# KiCad board reverse-panel.kicad_pcb (continued)
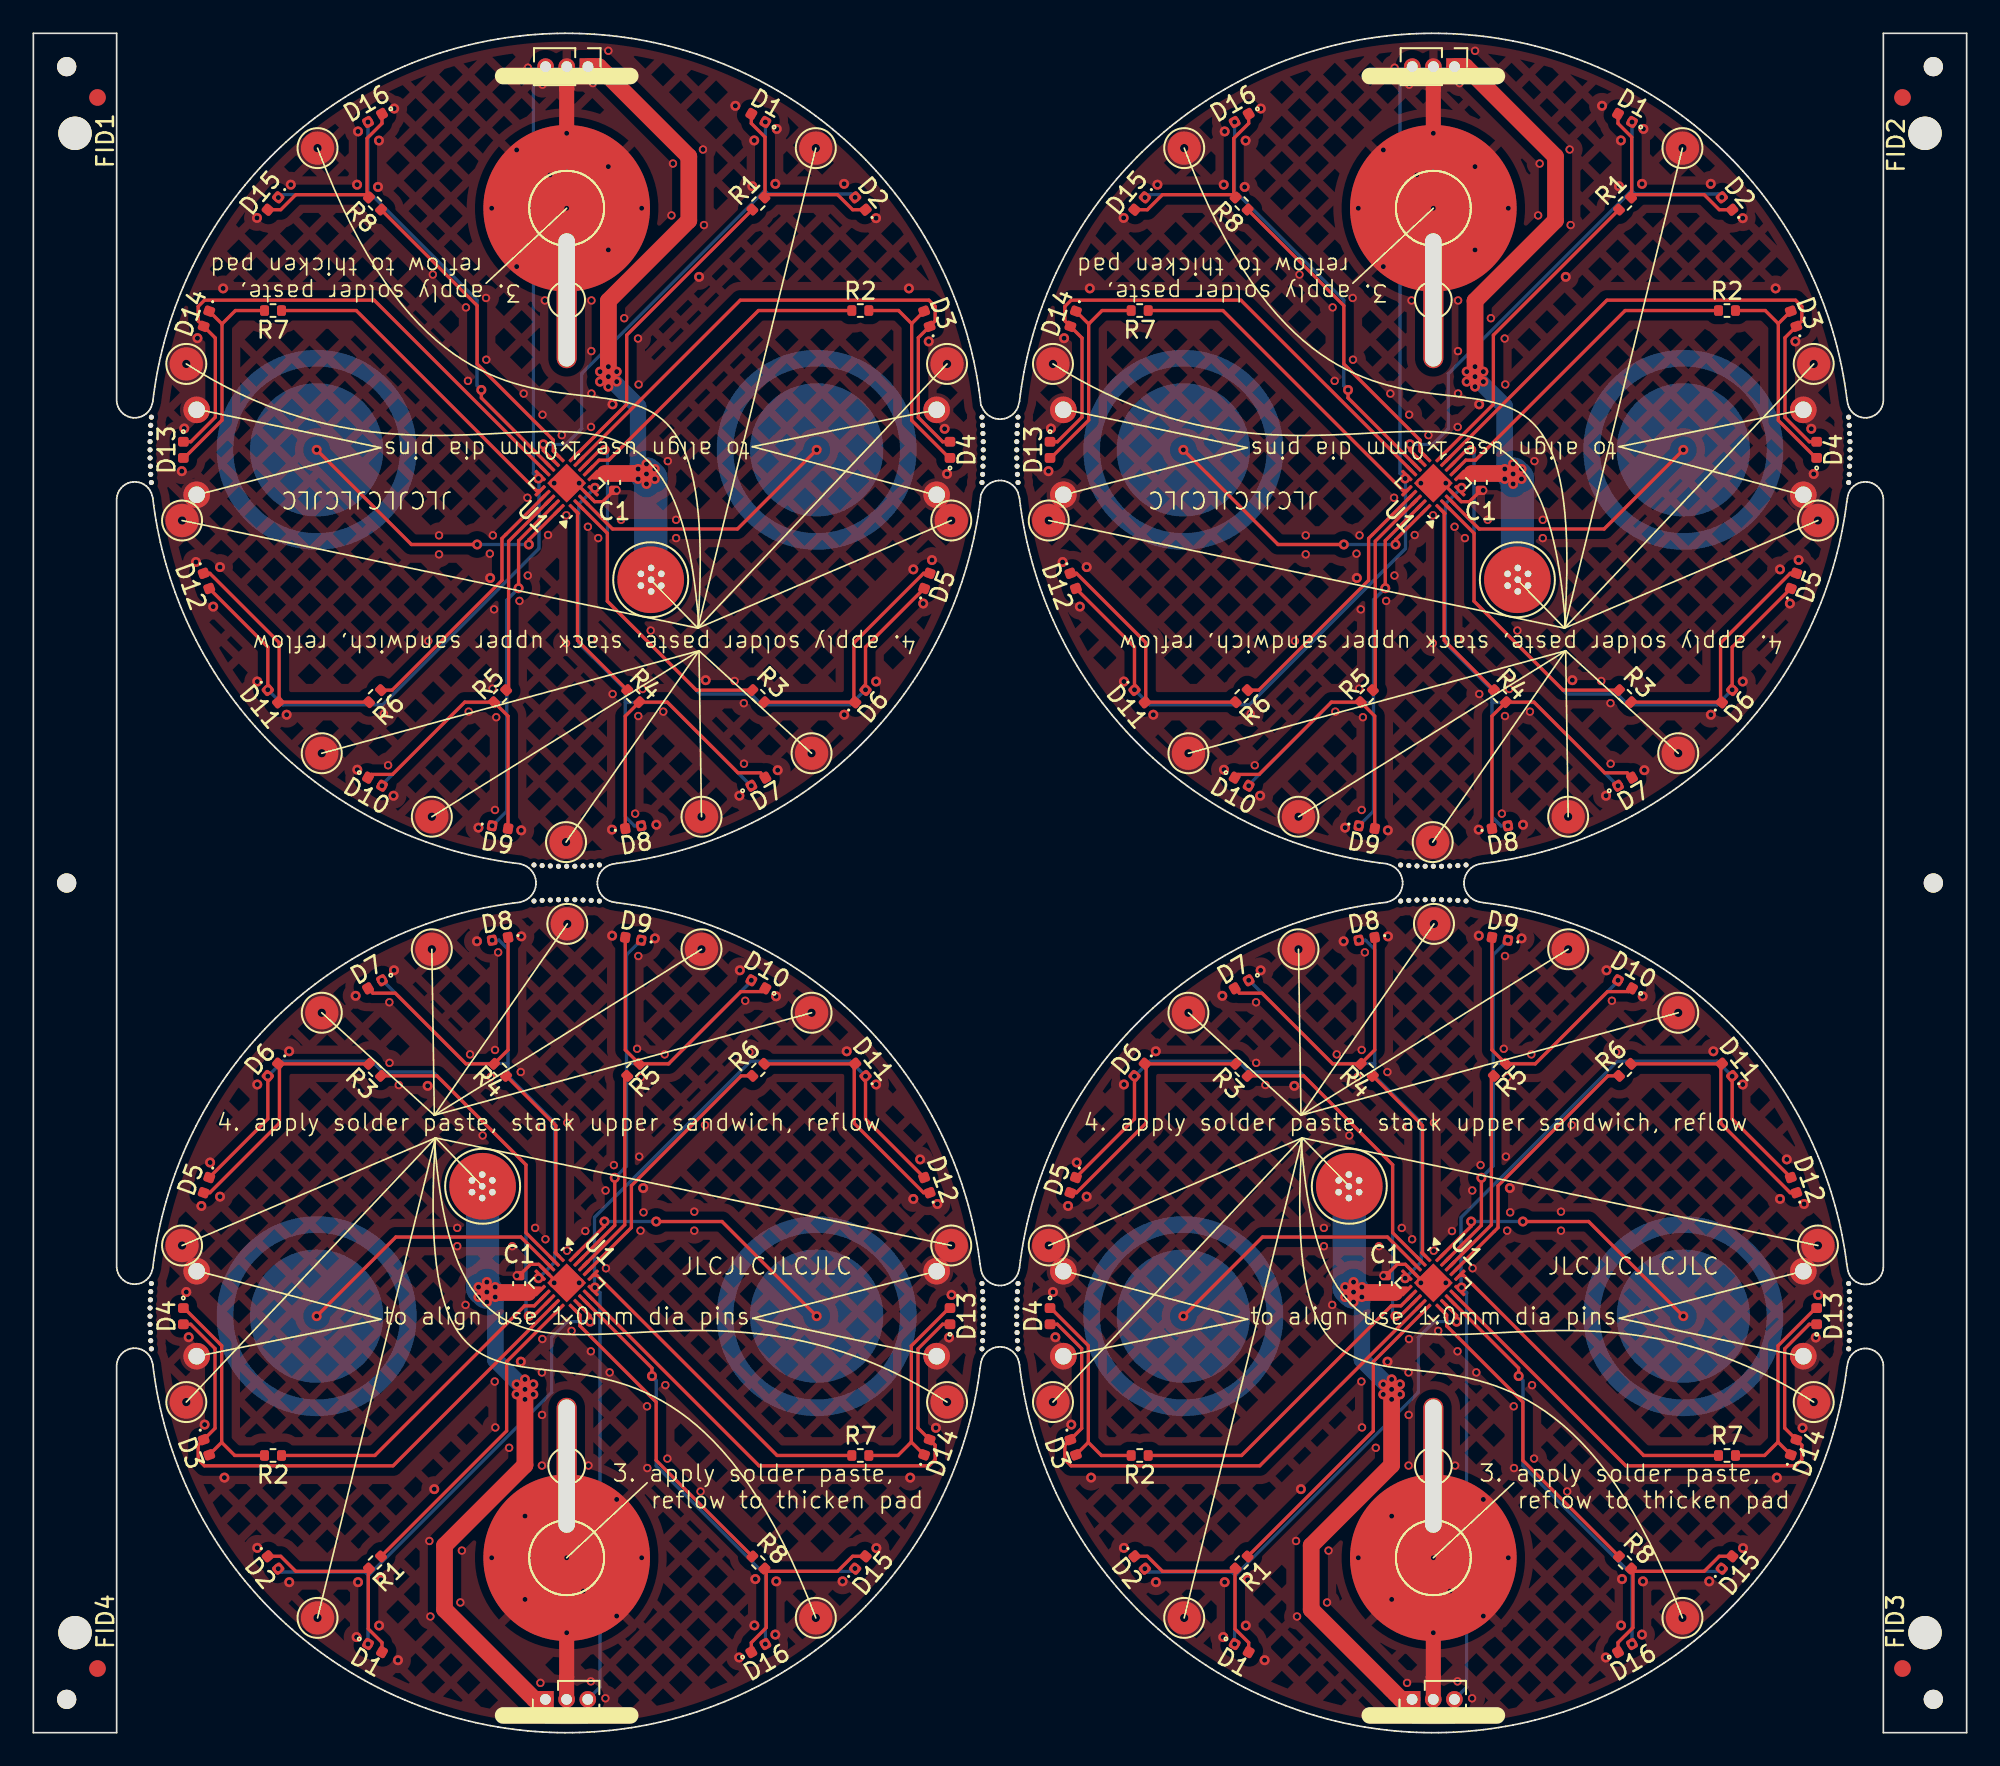
[diagram p0: board, top side]
## Placement (name value [footprint] x y rotation side) (continued)
stitch1#40  -  [TestPoint_Pad_D2.0mm]  61.18 19.84 0 top  (not fitted)
stitch1#41  -  [TestPoint_Pad_D2.0mm]  60.92 29.24 0 top  (not fitted)
stitch1#42  -  [TestPoint_Pad_D2.0mm]  8.92 29.24 0 top  (not fitted)
stitch1#43  -  [TestPoint_Pad_D2.0mm]  17.31 43.21 0 top  (not fitted)
stitch1#44  -  [TestPoint_Pad_D2.0mm]  75.91 47.02 0 top  (not fitted)
U1  CH32V003F4U6  [QFN-20-1EP_3x3mm_P0.4mm_EP1.65x1.65mm]  32 27 315 top
U1#2  CH32V003F4U6  [QFN-20-1EP_3x3mm_P0.4mm_EP1.65x1.65mm]  84 27 315 top
U1#3  CH32V003F4U6  [QFN-20-1EP_3x3mm_P0.4mm_EP1.65x1.65mm]  32 75 135 top
U1#4  CH32V003F4U6  [QFN-20-1EP_3x3mm_P0.4mm_EP1.65x1.65mm]  84 75 135 top

## Library data of the parts
- -#3 -#4 B1#2-B1#4 S1 S1#2 S1#4 S2 S2#3 S2#4 = -: Description: test point
-#2 B1 S1#3 S2#2 = -: Description: test point; ki_fp_filters: Pin* Test*
C1 C1#3 C1#4 = -: Datasheet: https://jlcpcb.com/api/file/downloadByFileSystemAccessId/8579705910383595520; Description: Unpolarized capacitor; JLC: C25092
C1#2 = -: Datasheet: https://jlcpcb.com/api/file/downloadByFileSystemAccessId/8579705910383595520; Description: Unpolarized capacitor; JLC: C25092; ki_fp_filters: C_*
D1 D2#3 D3#3 D4#4 D5#3 D6 D7#3 D8#2 D9 D10#3 D11#3 D12#4 D13#2 D14#2 D15#4 D16#2 = -: Datasheet: https://www.lcsc.com/datasheet/lcsc_datasheet_2402181505_XINGLIGHT-XL-1005SURC_C965790.pdf; Description: Light emitting diode; LCSC: C965790; ki_fp_filters: LED* LED_SMD:* LED_THT:*
D1#2-D1#4 D2 D2#2 D2#4 D3 D3#2 D3#4 D4 D4#2 D4#3 D5 D5#2 D5#4 D6#2-D6#4 D7 D7#2 D7#4 D8 D8#3 D8#4 D9#2-D9#4 D10 D10#2 D10#4 D11 D11#2 D11#4 D12 D12#2 D12#3 D13 D13#3 D13#4 D14 D14#3 D14#4 D15 D15#2 D15#3 D16 D16#3 D16#4 = -: Datasheet: https://www.lcsc.com/datasheet/lcsc_datasheet_2402181505_XINGLIGHT-XL-1005SURC_C965790.pdf; Description: Light emitting diode; LCSC: C965790
J1 J1#2 J1#3 = -: Description: Generic connector, single row, 01x03, script generated (kicad-library-utils/schlib/autogen/connector/)
J1#4 = -: Description: Generic connector, single row, 01x03, script generated (kicad-library-utils/schlib/autogen/connector/); ki_fp_filters: Connector*:*_1x??_*
R1 R1#2 R1#3 R2 R2#2 R2#3 R3#2-R3#4 R4 R4#2 R4#4 R5 R5#2 R5#3 R6 R6#3 R6#4 R7 R7#2 R7#4 R8 R8#2 R8#4 = -: Datasheet: https://jlcpcb.com/api/file/downloadByFileSystemAccessId/8602999349706444800; Description: Resistor; JLC: C7496803
R1#4 R2#4 R3 R4#3 R5#4 R6#2 R7#3 R8#3 = -: Datasheet: https://jlcpcb.com/api/file/downloadByFileSystemAccessId/8602999349706444800; Description: Resistor; JLC: C7496803; ki_fp_filters: R_*
U1 = -: Datasheet: https://www.wch-ic.com/downloads/CH32V003DS0_PDF.html; Description: industrial-grade general-purpose microcontroller; LCSC: C5299908; JLC: C5299908; ki_fp_filters: DIP*W7.62mm* PDIP*W7.62mm*
U1#2-U1#4 = -: Datasheet: https://www.wch-ic.com/downloads/CH32V003DS0_PDF.html; Description: industrial-grade general-purpose microcontroller; LCSC: C5299908; JLC: C5299908

## Footprints (pads in the part's own frame, mm; a bottom-side part is the same pattern mirrored in y, then rotated)
C_0402_1005Metric
  rrect 0.56x0.62 smd: 1(-0.48,0) 2(0.48,0)
Fiducial_1mm_Mask2mm
  round 1 smd: (0,0)
LED_0402_1005Metric
  rrect 0.59x0.64 smd: 1(-0.485,0) 2(0.485,0)
PinHeader_1x03_P1.27mm_Vertical
  rect 1x1 hole 0.65: 1(0,0)
  oval 1x1 hole 0.65: 2(0,-1.27) 3(0,-2.54)
QFN-20-1EP_3x3mm_P0.4mm_EP1.65x1.65mm
  rrect 0.67x0.67 smd: (-0.41,0.41) (-0.41,-0.41) (0.41,0.41) (0.41,-0.41)
  rrect 0.85x0.2 smd: 1(-1.45,0.8) 2(-1.45,0.4) 3(-1.45,0) 4(-1.45,-0.4) 5(-1.45,-0.8) 11(1.45,-0.8) 12(1.45,-0.4) 13(1.45,0) 14(1.45,0.4) 15(1.45,0.8)
  rrect 0.2x0.85 smd: 6(-0.8,-1.45) 7(-0.4,-1.45) 8(0,-1.45) 9(0.4,-1.45) 10(0.8,-1.45) 16(0.8,1.45) 17(0.4,1.45) 18(0,1.45) 19(-0.4,1.45) 20(-0.8,1.45)
  rect 1.65x1.65 smd: 21(0,0)
R_0402_1005Metric
  rrect 0.54x0.64 smd: 1(-0.51,0) 2(0.51,0)
TestPoint_Pad_D1.0mm
  round 1 hole 0.4: 1(0,0)
TestPoint_Pad_D2.0mm
  round 2 smd: 1(0,0)
TestPoint_Pad_D4.0mm
  round 4 smd: 1(0,0)
TestPoint_Pad_D4.0mm#2
  round 10 smd: 1(0,0)
TestPoint_Pad_D4.0mm#3
  oval 8x8 smd: 1(0,0)
TestPoint_THTPad_3.0x3.0mm_Drill1.5mm
  oval 1.2x8.2 hole 1x8 unplated: (0,0)
unnamed
  round 1.6 hole 1: 1(0,0)
unnamed#2
  round 0.3 hole 0.3 unplated: (0,0)
unnamed#3
  round 2 hole 2 unplated: (0,0)
unnamed#4
  round 1.152 hole 1.152 unplated: (0,0)

## Nets
+3V0: C1.1 C1#2.1 C1#3.1 C1#4.1 contact-r1.1 contact-r1#2.1 contact-r1#3.1 contact-r1#4.1 J1.1 J1#2.1 J1#3.1 J1#4.1 solder1.1 solder1#2.1 solder1#3.1 solder1#4.1 solder2.1 solder2#2.1 solder2#3.1 solder2#4.1 solder3.1 solder3#2.1 solder3#3.1 solder3#4.1 solder4.1 solder4#2.1 solder4#3.1 solder4#4.1 solder5.1 solder5#2.1 solder5#3.1 solder5#4.1 solder6.1 solder6#2.1 solder6#3.1 solder6#4.1 solder7.1 solder7#2.1 solder7#3.1 solder7#4.1 U1.6 U1#2.6 U1#3.6 U1#4.6
GND: -.1 -#2.1 -#3.1 -#4.1 align-r1.1 align-r1#2.1 align-r1#3.1 align-r1#4.1 align-r2.1 align-r2#2.1 align-r2#3.1 align-r2#4.1 align-r3.1 align-r3#2.1 align-r3#3.1 align-r3#4.1 align-r4.1 align-r4#2.1 align-r4#3.1 align-r4#4.1 B1.1 B1#2.1 B1#3.1 B1#4.1 C1.2 C1#2.2 C1#3.2 C1#4.2 J1.2 J1#2.2 J1#3.2 J1#4.2 stitch1.1 stitch1#2.1 stitch1#3.1 stitch1#4.1 stitch1#5.1 stitch1#6.1 stitch1#7.1 stitch1#8.1 stitch1#9.1 stitch1#10.1 stitch1#11.1 stitch1#12.1 stitch1#13.1 stitch1#14.1 stitch1#15.1 stitch1#16.1 stitch1#17.1 stitch1#18.1 stitch1#19.1 stitch1#20.1 stitch1#21.1 stitch1#22.1 stitch1#23.1 stitch1#24.1 stitch1#25.1 stitch1#26.1 stitch1#27.1 stitch1#28.1 stitch1#29.1 stitch1#30.1 stitch1#31.1 stitch1#32.1 stitch1#33.1 stitch1#34.1 stitch1#35.1 stitch1#36.1 stitch1#37.1 stitch1#38.1 stitch1#39.1 stitch1#40.1 stitch1#41.1 stitch1#42.1 stitch1#43.1 stitch1#44.1 U1.4 U1.21 U1#2.4 U1#2.21 U1#3.4 U1#3.21 U1#4.4 U1#4.21
/touch1: S1.1 S1#2.1 S1#3.1 S1#4.1 U1.20 U1#2.20 U1#3.20 U1#4.20
/touch2: S2.1 S2#2.1 S2#3.1 S2#4.1 U1.3 U1#2.3 U1#3.3 U1#4.3
GP1: D1.1 D1#2.1 D1#3.1 D1#4.1 D2.2 D2#2.2 D2#3.2 D2#4.2 U1.12 U1#2.12 U1#3.12 U1#4.12
GP2: D3.1 D3#2.1 D3#3.1 D3#4.1 D4.2 D4#2.2 D4#3.2 D4#4.2 U1.9 U1#2.9 U1#3.9 U1#4.9
GP3: D5.1 D5#2.1 D5#3.1 D5#4.1 D6.2 D6#2.2 D6#3.2 D6#4.2 U1.8 U1#2.8 U1#3.8 U1#4.8
GP4: D7.1 D7#2.1 D7#3.1 D7#4.1 D8.2 D8#2.2 D8#3.2 D8#4.2 U1.5 U1#2.5 U1#3.5 U1#4.5
GP5: D9.1 D9#2.1 D9#3.1 D9#4.1 D10.2 D10#2.2 D10#3.2 D10#4.2 U1.19 U1#2.19 U1#3.19 U1#4.19
GP6: D11.1 D11#2.1 D11#3.1 D11#4.1 D12.2 D12#2.2 D12#3.2 D12#4.2 J1.3 J1#2.3 J1#3.3 J1#4.3 U1.15 U1#2.15 U1#3.15 U1#4.15
GP7: D13.1 D13#2.1 D13#3.1 D13#4.1 D14.2 D14#2.2 D14#3.2 D14#4.2 U1.14 U1#2.14 U1#3.14 U1#4.14
GP8: D15.1 D15#2.1 D15#3.1 D15#4.1 D16.2 D16#2.2 D16#3.2 D16#4.2 U1.13 U1#2.13 U1#3.13 U1#4.13
PWM1: R1.1 R1#2.1 R1#3.1 R1#4.1 U1.10 U1#2.10 U1#3.10 U1#4.10
PWM2: R2.1 R2#2.1 R2#3.1 R2#4.1 U1.7 U1#2.7 U1#3.7 U1#4.7
PWM3: R3.1 R3#2.1 R3#3.1 R3#4.1 U1.2 U1#2.2 U1#3.2 U1#4.2
PWM4: R4.1 R4#2.1 R4#3.1 R4#4.1 U1.1 U1#2.1 U1#3.1 U1#4.1
PWM5: R5.1 R5#2.1 R5#3.1 R5#4.1 U1.18 U1#2.18 U1#3.18 U1#4.18
PWM6: R6.1 R6#2.1 R6#3.1 R6#4.1 U1.17 U1#2.17 U1#3.17 U1#4.17
PWM7: R7.1 R7#2.1 R7#3.1 R7#4.1 U1.16 U1#2.16 U1#3.16 U1#4.16
PWM8: R8.1 R8#2.1 R8#3.1 R8#4.1 U1.11 U1#2.11 U1#3.11 U1#4.11
Net-(D1-A): D1.2 D1#2.2 D1#3.2 D1#4.2 D2.1 D2#2.1 D2#3.1 D2#4.1 R1.2 R1#2.2 R1#3.2 R1#4.2
Net-(D3-A): D3.2 D3#2.2 D3#3.2 D3#4.2 D4.1 D4#2.1 D4#3.1 D4#4.1 R2.2 R2#2.2 R2#3.2 R2#4.2
Net-(D5-A): D5.2 D5#2.2 D5#3.2 D5#4.2 D6.1 D6#2.1 D6#3.1 D6#4.1 R3.2 R3#2.2 R3#3.2 R3#4.2
Net-(D7-A): D7.2 D7#2.2 D7#3.2 D7#4.2 D8.1 D8#2.1 D8#3.1 D8#4.1 R4.2 R4#2.2 R4#3.2 R4#4.2
Net-(D10-K): D9.2 D9#2.2 D9#3.2 D9#4.2 D10.1 D10#2.1 D10#3.1 D10#4.1 R5.2 R5#2.2 R5#3.2 R5#4.2
Net-(D11-A): D11.2 D11#2.2 D11#3.2 D11#4.2 D12.1 D12#2.1 D12#3.1 D12#4.1 R6.2 R6#2.2 R6#3.2 R6#4.2
Net-(D13-A): D13.2 D13#2.2 D13#3.2 D13#4.2 D14.1 D14#2.1 D14#3.1 D14#4.1 R7.2 R7#2.2 R7#3.2 R7#4.2
Net-(D15-A): D15.2 D15#2.2 D15#3.2 D15#4.2 D16.1 D16#2.1 D16#3.1 D16#4.1 R8.2 R8#2.2 R8#3.2 R8#4.2

## Via types
v1: diameter 0.6, hole 0.3, Top to Bottom, 320 vias
v2: diameter 0.5, hole 0.3, Top to Bottom, 272 vias
v3: diameter 0.7, hole 0.5, Top to Bottom, 44 vias

## Routing (per net, layer and track width the routed paths; a pad name or vN(x,y) marks a point on that pad's centre or on a via; arc(x,y) is an arc through that point)
+3V0: length 167
  Top w0.3: 30.13,26.45 28.87,26.45 ; 85.87,75.55 87.13,75.55 ; 82.13,26.45 80.87,26.45 ; 33.59,75.37 34.85,75.37 ; 33.87,75.55 35.13,75.55 ; 30.41,26.63 29.15,26.63 ; 85.59,75.37 86.85,75.37 ; 82.41,26.63 81.15,26.63
  Top w1: J1.1 33.93,100 39.33,94.6 39.33,90.77 34.5,85.94 v1(34.5,81.39) ; J1#3.1 82.07,2 76.67,7.4 76.67,11.23 81.5,16.06 v1(81.5,20.61) ; v1(88.79,75.55) 88.76,75.58 86.3,75.58 ; 34.3,75.58 36.76,75.58 v1(36.79,75.55) ; v1(27.21,26.45) 27.24,26.42 29.7,26.42 ; J1#2.1 85.93,100 91.33,94.6 91.33,90.77 86.5,85.94 v1(86.5,81.39) ; v1(79.21,26.45) 79.24,26.42 81.7,26.42 ; J1#4.1 30.07,2 24.67,7.4 24.67,11.23 29.5,16.06 v1(29.5,20.61)
  Bottom w1: v1(88.79,75.55) 88.28,76.06 88.28,79.62 v1(86.5,81.39) ; v1(29.5,20.61) 27.72,22.38 27.72,25.94 v1(27.21,26.45) ; v1(79.21,26.45) 79.72,25.94 79.72,22.38 v1(81.5,20.61) ; v1(34.5,81.39) 36.28,79.62 36.28,76.06 v1(36.79,75.55)
  Bottom w2: v1(27.21,26.45) 26.96,26.7 contact-r1#2.1 ; contact-r1#3.1 37.04,75.3 v1(36.79,75.55) ; v1(79.21,26.45) 78.96,26.7 contact-r1#4.1 ; v1(88.79,75.55) 89.04,75.3 contact-r1.1
  vias: v1(26.71,26.75) v1(26.71,26.15) v1(27.21,27.05) v1(27.21,25.85) v1(27.71,26.75) v1(27.71,26.15) v1(29,20.91) v1(29,20.31) v1(29.5,21.21) v1(29.5,20.01) v1(30,20.91) v1(30,20.31) v1(34,81.69) v1(34,81.09) v1(34.5,81.99) v1(34.5,80.79) v1(35,81.69) v1(35,81.09) v1(36.29,75.85) v1(36.29,75.25) v1(36.79,76.15) v1(36.79,74.95) v1(37.29,75.85) v1(37.29,75.25) v1(78.71,26.75) v1(78.71,26.15) v1(79.21,27.05) v1(79.21,25.85) v1(79.71,26.75) v1(79.71,26.15) v1(81,20.91) v1(81,20.31) v1(81.5,21.21) v1(81.5,20.01) v1(82,20.91) v1(82,20.31) v1(86,81.69) v1(86,81.09) v1(86.5,81.99) v1(86.5,80.79) v1(87,81.69) v1(87,81.09) v1(88.29,75.85) v1(88.29,75.25) v1(88.79,76.15) v1(88.79,74.95) v1(89.29,75.85) v1(89.29,75.25)
GND: length 75.8
  Top w0.2: C1#2.2 29.83,28.11 30.32,28.11 U1.4 31.25,27.18 v1(31.25,27) ; C1#4.2 34.17,73.89 33.68,73.89 U1#3.4 32.75,74.82 v1(32.75,75) ; v1(84.75,75) 84.75,74.82 U1#4.4 85.68,73.89 86.17,73.89 C1#3.2 ; C1.2 81.83,28.11 82.32,28.11 U1#2.4 83.25,27.18 v1(83.25,27)
  Top w0.9: J1#2.2 84,100 84,98.67 84,98.67 84,98.66 v2(84,91.5) 84,84 ; J1#4.2 32,2.01 32,3.33 32,3.33 32,3.34 v2(32,10.5) 32,18 ; 84,18 v2(84,10.5) 84,3.34 84,3.33 84,3.33 84,2.01 J1#3.2 ; J1.2 32,100 32,98.67 32,98.67 32,98.66 v2(32,91.5) 32,84
  vias: v1(8.91,75.72) v1(9.06,78.28) v1(9.18,26.45) v1(9.32,23.74) v1(9.85,83.7) v1(9.76,70.27) v1(10.08,31.62) v1(10.28,18.49) v1(10.61,34.22) v1(10.79,67.59) v1(11.2,69.96) v1(11.2,32.17) v1(11.39,86.69) v1(11.46,15.31) v1(13.42,90.92) v1(13.44,63.09) v1(13.44,38.91) v1(13.44,11.09) v1(15.2,61.1) v1(15.35,40.9) v1(15.45,92.92) v1(15.36,9.04) v1(19.34,44.23) v1(19.42,92.92) v1(19.44,57.8) v1(19.4,5.74) v1(19.48,96.11) v1(19.48,9.04) v1(20.74,95.56) v1(20.68,92.78) v1(20.75,6.43) v1(20.86,9.18) v1(21.61,56.24) v1(21.64,45.76) v1(21.65,97.49) v1(21.88,4.35) v1(23.66,38.82) v1(24.05,14.62) v1(26.62,47.5) v1(26.71,54.32) v1(27.41,69.31) v1(29.25,22.27) v1(29.27,54.16) v1(29.28,47.8) v1(31.25,75) v1(32.75,27) v1(34.72,54.2) v1(34.73,47.84) v1(34.75,79.73) v1(36.59,32.69) v1(37.29,47.68) v1(37.38,54.5) v1(39.95,87.38) v1(40.34,63.18) v1(42.12,97.65) v1(42.35,4.52) v1(42.36,56.24) v1(42.39,45.76) v1(43.14,92.82) v1(43.25,95.57) v1(43.32,9.22) v1(43.26,6.44) v1(44.52,92.97) v1(44.52,5.89) v1(44.6,96.26) v1(44.56,44.2) v1(44.58,9.08) v1(44.66,57.77) v1(48.64,92.97) v1(48.55,9.08) v1(48.65,61.1) v1(48.8,40.9) v1(50.56,90.91) v1(50.56,63.09) v1(50.56,38.91) v1(50.58,11.08) v1(52.54,86.69) v1(52.61,15.31) v1(52.8,69.83) v1(52.8,32.04) v1(53.21,34.41) v1(53.39,67.78) v1(53.72,83.51) v1(53.92,70.38) v1(54.24,31.73) v1(54.15,18.3) v1(54.68,78.26) v1(54.82,75.55) v1(54.94,23.72) v1(55.09,26.28) v1(60.91,75.72) v1(61.06,78.28) v1(61.18,26.45) v1(61.32,23.74) v1(61.85,83.7) v1(61.76,70.27) v1(62.08,31.62) v1(62.28,18.49) v1(62.61,34.22) v1(62.79,67.59) v1(63.2,69.96) v1(63.2,32.17) v1(63.39,86.69) v1(63.46,15.31) v1(65.42,90.92) v1(65.44,63.09) v1(65.44,38.91) v1(65.44,11.09) v1(67.2,61.1) v1(67.35,40.9) v1(67.45,92.92) v1(67.36,9.04) v1(71.34,44.23) v1(71.42,92.92) v1(71.44,57.8) v1(71.4,5.74) v1(71.48,96.11) v1(71.48,9.04) v1(72.74,95.56) v1(72.68,92.78) v1(72.75,6.43) v1(72.86,9.18) v1(73.61,56.24) v1(73.64,45.76) v1(73.65,97.49) v1(73.88,4.35) v1(75.66,38.82) v1(76.05,14.62) v1(78.62,47.5) v1(78.71,54.32) v1(79.41,69.31) v1(81.25,22.27) v1(81.27,54.16) v1(81.28,47.8) v1(83.25,75) v1(84.75,27) v1(86.72,54.2) v1(86.73,47.84) v1(86.75,79.73) v1(88.59,32.69) v1(89.29,47.68) v1(89.38,54.5) v1(91.95,87.38) v1(92.34,63.18) v1(94.12,97.65) v1(94.35,4.52) v1(94.36,56.24) v1(94.39,45.76) v1(95.14,92.82) v1(95.25,95.57) v1(95.32,9.22) v1(95.26,6.44) v1(96.52,92.97) v1(96.52,5.89) v1(96.6,96.26) v1(96.56,44.2) v1(96.58,9.08) v1(96.66,57.77) v1(100.64,92.97) v1(100.55,9.08) v1(100.65,61.1) v1(100.8,40.9) v1(102.56,90.91) v1(102.56,63.09) v1(102.56,38.91) v1(102.58,11.08) v1(104.54,86.69) v1(104.61,15.31) v1(104.8,69.83) v1(104.8,32.04) v1(105.21,34.41) v1(105.39,67.78) v1(105.72,83.51) v1(105.92,70.38) v1(106.24,31.73) v1(106.15,18.3) v1(106.68,78.26) v1(106.82,75.55) v1(106.94,23.72) v1(107.09,26.28) v2(21.04,61.15) v2(21.29,58.07) v2(21.36,43.84) v2(21.37,40.21) v2(21.93,38.87) v2(23.7,65.53) v2(23.76,11.51) v2(23.82,6.97) v2(23.97,87.52) v2(24.34,71.87) v2(24.34,70.73) v2(25.43,30.3) v2(25.43,29.2) v2(25.62,7.82) v2(25.71,10.93) v2(25.93,25.68) v2(25.96,85.55) v2(26.08,81.14) v2(26.12,61.29) v2(26.2,40.71) v2(26.96,35.85) v2(27.16,86.12) v2(27.18,82.41) v2(27.39,70.77) v2(27.45,39.36) v2(27.5,91.5) v2(27.5,10.5) v2(27.57,71.87) v2(27.64,67.42) v2(27.55,62.67) v2(27.7,55.38) v2(27.7,40.98) v2(27.68,21.08) v2(27.72,18.32) v2(27.77,60.95) v2(27.89,46.84) v2(28.55,17.1) v2(28.74,29.2) v2(29,95) v2(29,88) v2(29.01,27.43) v2(29.17,67.93) v2(29.24,39.66) v2(29.42,80.38) v2(29.5,13) v2(29.5,8) v2(29.5,1.05) v2(29.64,74.13) v2(29.68,99.94) v2(29.67,69.46) v2(30.11,30.3) v2(30.42,2.99) v2(30.55,98.92) v2(30.55,79.11) v2(30.51,36.35) v2(30.54,23.63) v2(30.51,21.62) v2(30.52,19.07) v2(30.51,16.03) v2(30.69,85.97) v2(30.73,29.62) v2(30.88,71.89) v2(31,93.5) v2(31.71,77.88) v2(32,96) v2(31.98,73.07) v2(31.96,65.39) v2(32.04,36.61) v2(32.02,28.93) v2(32,6) v2(32.29,24.12) v2(33,8.5) v2(33.12,30.11) v2(33.27,72.38) v2(33.31,16.03) v2(33.49,85.97) v2(33.48,82.93) v2(33.49,80.38) v2(33.46,78.37) v2(33.49,65.65) v2(33.45,22.89) v2(33.45,3.08) v2(33.58,99.01) v2(33.89,71.7) v2(34.33,32.54) v2(34.32,2.06) v2(34.36,27.88) v2(34.5,100.95) v2(34.5,94) v2(34.5,89) v2(34.58,21.62) v2(34.76,62.34) v2(34.83,34.07) v2(34.99,74.57) v2(35,14) v2(35,7) v2(35.26,72.8) v2(35.45,84.9) v2(36.11,55.16) v2(36.23,41.05) v2(36.28,83.68) v2(36.32,80.92) v2(36.3,61.02) v2(36.3,46.62) v2(36.45,39.33) v2(36.36,34.58) v2(36.43,30.13) v2(36.5,91.5) v2(36.5,10.5) v2(36.55,62.65) v2(36.61,31.23) v2(36.82,19.59) v2(36.84,15.88) v2(37.04,66.15) v2(37.8,61.29) v2(37.88,40.71) v2(37.92,20.86) v2(38.04,16.45) v2(38.07,76.32) v2(38.29,91.07) v2(38.38,94.18) v2(38.57,72.8) v2(38.57,71.7) v2(39.66,31.27) v2(39.66,30.13) v2(40.03,14.48) v2(40.18,95.03) v2(40.24,90.49) v2(40.3,36.47) v2(42.07,63.13) v2(42.63,61.79) v2(42.64,58.16) v2(42.71,43.93) v2(42.96,40.85) v2(73.04,61.15) v2(73.29,58.07) v2(73.36,43.84) v2(73.37,40.21) v2(73.93,38.87) v2(75.7,65.53) v2(75.76,11.51) v2(75.82,6.97) v2(75.97,87.52) v2(76.34,71.87) v2(76.34,70.73) v2(77.43,30.3) v2(77.43,29.2) v2(77.62,7.82) v2(77.71,10.93) v2(77.93,25.68) v2(77.96,85.55) v2(78.08,81.14) v2(78.12,61.29) v2(78.2,40.71) v2(78.96,35.85) v2(79.16,86.12) v2(79.18,82.41) v2(79.39,70.77) v2(79.45,39.36) v2(79.5,91.5) v2(79.5,10.5) v2(79.57,71.87) v2(79.64,67.42) v2(79.55,62.67) v2(79.7,55.38) v2(79.7,40.98) v2(79.68,21.08) v2(79.72,18.32) v2(79.77,60.95) v2(79.89,46.84) v2(80.55,17.1) v2(80.74,29.2) v2(81,95) v2(81,88) v2(81.01,27.43) v2(81.17,67.93) v2(81.24,39.66) v2(81.42,80.38) v2(81.5,13) v2(81.5,8) v2(81.5,1.05) v2(81.64,74.13) v2(81.68,99.94) v2(81.67,69.46) v2(82.11,30.3) v2(82.42,2.99) v2(82.55,98.92) v2(82.55,79.11) v2(82.51,36.35) v2(82.54,23.63) v2(82.51,21.62) v2(82.52,19.07) v2(82.51,16.03) v2(82.69,85.97) v2(82.73,29.62) v2(82.88,71.89) v2(83,93.5) v2(83.71,77.88) v2(84,96) v2(83.98,73.07) v2(83.96,65.39) v2(84.04,36.61) v2(84.02,28.93) v2(84,6) v2(84.29,24.12) v2(85,8.5) v2(85.12,30.11) v2(85.27,72.38) v2(85.31,16.03) v2(85.49,85.97) v2(85.48,82.93) v2(85.49,80.38) v2(85.46,78.37) v2(85.49,65.65) v2(85.45,22.89) v2(85.45,3.08) v2(85.58,99.01) v2(85.89,71.7) v2(86.33,32.54) v2(86.32,2.06) v2(86.36,27.88) v2(86.5,100.95) v2(86.5,94) v2(86.5,89) v2(86.58,21.62) v2(86.76,62.34) v2(86.83,34.07) v2(86.99,74.57) v2(87,14) v2(87,7) v2(87.26,72.8) v2(87.45,84.9) v2(88.11,55.16) v2(88.23,41.05) v2(88.28,83.68) v2(88.32,80.92) v2(88.3,61.02) v2(88.3,46.62) v2(88.45,39.33) v2(88.36,34.58) v2(88.43,30.13) v2(88.5,91.5) v2(88.5,10.5) v2(88.55,62.65) v2(88.61,31.23) v2(88.82,19.59) v2(88.84,15.88) v2(89.04,66.15) v2(89.8,61.29) v2(89.88,40.71) v2(89.92,20.86) v2(90.04,16.45) v2(90.07,76.32) v2(90.29,91.07) v2(90.38,94.18) v2(90.57,72.8) v2(90.57,71.7) v2(91.66,31.27) v2(91.66,30.13) v2(92.03,14.48) v2(92.18,95.03) v2(92.24,90.49) v2(92.3,36.47) v2(94.07,63.13) v2(94.63,61.79) v2(94.64,58.16) v2(94.71,43.93) v2(94.96,40.85) v3(8.92,72.76) v3(8.92,29.24) v3(9.18,82.16) v3(9.18,19.84) v3(17.05,95.11) v3(17.05,6.89) v3(17.31,58.79) v3(17.31,43.21) v3(23.91,54.98) v3(23.91,47.02) v3(31.96,53.45) v3(32.04,48.55) v3(40.09,54.98) v3(40.09,47.02) v3(46.69,58.79) v3(46.69,43.21) v3(46.95,95.11) v3(46.95,6.89) v3(54.82,82.16) v3(54.82,19.84) v3(55.08,72.76) v3(55.08,29.24) v3(60.92,72.76) v3(60.92,29.24) v3(61.18,82.16) v3(61.18,19.84) v3(69.05,95.11) v3(69.05,6.89) v3(69.31,58.79) v3(69.31,43.21) v3(75.91,54.98) v3(75.91,47.02) v3(83.96,53.45) v3(84.04,48.55) v3(92.09,54.98) v3(92.09,47.02) v3(98.69,58.79) v3(98.69,43.21) v3(98.95,95.11) v3(98.95,6.89) v3(106.82,82.16) v3(106.82,19.84) v3(107.08,72.76) v3(107.08,29.24)
/touch1: length 71.7
  Top w0.2: U1.20 34.27,30.4 v1(34.27,30.68) ; v1(29.73,71.32) 29.73,71.6 U1#3.20 ; v1(17,77) 22.68,71.32 v1(26.63,71.32) ; U1#2.20 86.27,30.4 v1(86.27,30.68) ; v1(37.37,30.68) 41.32,30.68 v1(47,25) ; U1#4.20 81.73,71.6 v1(81.73,71.32) ; v1(78.63,71.32) 74.68,71.32 v1(69,77) ; v1(99,25) 93.32,30.68 v1(89.37,30.68)
  Bottom w0.2: v1(34.27,30.68) v1(37.37,30.68) ; v1(29.73,71.32) v1(26.63,71.32) ; v1(86.27,30.68) v1(89.37,30.68) ; v1(81.73,71.32) v1(78.63,71.32)
/touch2: length 66.6
  Top w0.2: U1#3.3 34.75,72.25 42.25,72.25 v1(47,77) ; U1#2.3 81.25,29.75 73.75,29.75 v1(69,25) ; v1(17,25) 21.75,29.75 29.25,29.75 U1.3 ; U1#4.3 86.75,72.25 94.25,72.25 v1(99,77)
GP1: length 130.2
  Top w0.2: 66.7,9.86 v1(66.69,9.84) ; v1(30.6,77.33) 30.6,76.97 U1#3.12 ; v1(33.4,24.67) 33.4,25.03 U1.12 ; U1#2.12 85.4,25.03 v1(85.4,24.67) ; 14.7,9.86 v1(14.69,9.84) ; 101.3,92.14 v1(101.31,92.16) ; v1(82.6,77.33) 82.6,76.97 U1#4.12 ; 49.3,92.14 v1(49.31,92.16)
  Bottom w0.2: 43.92,92.53 44.08,92.37 49.1,92.37 v1(49.31,92.16) ; 43.92,92.53 v1(43.92,96.68) ; 43.92,92.53 43.86,92.53 32.9,81.57 32.9,78.27 31.96,77.33 v1(30.6,77.33) ; v1(82.6,77.33) 83.96,77.33 84.9,78.27 84.9,81.57 95.86,92.53 95.92,92.53 ; 20.08,9.47 19.92,9.64 14.9,9.64 v1(14.69,9.84) ; 20.08,9.47 v1(20.08,5.32) ; 20.08,9.47 20.14,9.47 31.1,20.43 31.1,23.73 32.04,24.67 v1(33.4,24.67) ; v1(66.69,9.84) 66.9,9.64 71.92,9.64 72.08,9.47 ; 72.08,9.47 v1(72.08,5.32) ; 72.08,9.47 72.14,9.47 83.1,20.43 83.1,23.73 84.04,24.67 v1(85.4,24.67) ; 95.92,92.53 96.08,92.37 101.1,92.37 v1(101.31,92.16) ; 95.92,92.53 v1(95.92,96.68)
GP2: length 140.5
  Top w0.2: U1#3.9 42.41,85.98 53.74,85.98 54.11,85.61 54.11,84.74 D3#4.1 53.1,83.73 53.1,78.94 54.56,77.49 D4.2 ; D4#4.2 9.44,24.52 10.9,23.06 10.9,18.27 D3#3.1 9.89,17.26 9.89,16.39 10.26,16.02 21.59,16.02 U1.9 ; U1#2.9 73.59,16.02 62.26,16.02 61.89,16.39 61.89,17.26 D3.1 62.9,18.27 62.9,23.06 61.44,24.52 D4#3.2 ; D4#2.2 106.56,77.49 105.1,78.94 105.1,83.73 D3#2.1 106.11,84.74 106.11,85.61 105.74,85.98 94.41,85.98 U1#4.9
GP3: length 147.9
  Top w0.2: U1#2.8 82.01,25.01 v1(81.72,25.01) ; 10.65,33.23 D5#3.1 14.07,36.84 v1(14.07,39.4) D6.2 14.02,39.36 ; U1#3.8 33.99,76.99 v1(34.28,76.99) ; 49.98,62.64 D6#2.2 v1(49.93,62.6) 49.93,65.16 D5#2.1 53.35,68.77 ; 66.02,39.36 D6#4.2 v1(66.07,39.4) 66.07,36.84 D5.1 62.65,33.23 ; U1#4.8 85.99,76.99 v1(86.28,76.99) ; 105.35,68.77 D5#4.1 101.93,65.16 v1(101.93,62.6) D6#3.2 101.98,62.64 ; U1.8 30.01,25.01 v1(29.72,25.01)
  Bottom w0.2: v1(81.72,25.01) 81.56,25.18 81.56,34.09 75.99,39.66 72.95,39.66 72.31,40.3 66.97,40.3 v1(66.07,39.4) ; v1(29.72,25.01) 29.56,25.18 29.56,34.09 23.99,39.66 20.95,39.66 20.31,40.3 14.97,40.3 v1(14.07,39.4) ; v1(86.28,76.99) 86.44,76.83 86.44,67.91 92.01,62.34 95.05,62.34 95.69,61.7 101.03,61.7 v1(101.93,62.6) ; v1(34.28,76.99) 34.44,76.83 34.44,67.91 40.01,62.34 43.05,62.34 43.69,61.7 49.03,61.7 v1(49.93,62.6)
GP4: length 129.5
  Top w0.2: v1(33.69,74.72) 33.69,74.64 U1#3.5 ; v1(85.69,74.72) 85.69,74.64 U1#4.5 ; v1(82.31,27.28) 82.31,27.36 U1#2.5 ; 27.5,47.53 v1(27.53,47.57) ; 79.5,47.53 v1(79.53,47.57) ; U1.5 30.31,27.36 v1(30.31,27.28) ; 36.5,54.47 v1(36.47,54.43) ; 88.5,54.47 v1(88.47,54.43)
  Bottom w0.2: v1(82.31,27.28) 83.28,28.25 83.28,36.61 80.48,39.4 80.48,47.02 79.94,47.57 v1(79.53,47.57) ; 87.52,61.84 90.06,61.84 95.06,56.84 v1(95.08,56.84) ; 28.48,40.16 25.94,40.16 20.94,45.16 v1(20.92,45.16) ; v1(36.47,54.43) 36.06,54.43 35.52,54.98 35.52,62.6 32.72,65.39 32.72,73.75 v1(33.69,74.72) ; v1(72.92,45.16) 72.94,45.16 77.94,40.16 80.48,40.16 ; v1(85.69,74.72) 84.72,73.75 84.72,65.39 87.52,62.6 87.52,54.98 88.06,54.43 v1(88.47,54.43) ; 35.52,61.84 38.06,61.84 43.06,56.84 v1(43.08,56.84) ; v1(27.53,47.57) 27.94,47.57 28.48,47.02 28.48,39.4 31.28,36.61 31.28,28.25 v1(30.31,27.28)
GP5: length 122
  Top w0.2: U1.19 34.88,30.45 v1(34.88,33.31) ; 88.5,47.53 v1(88.47,47.57) 88.53,47.57 ; 27.5,54.47 v1(27.53,54.43) 27.47,54.43 ; v1(86.88,33.31) 86.88,30.45 U1#2.19 ; U1#4.19 81.12,71.55 v1(81.12,68.69) ; 36.53,47.57 v1(36.47,47.57) 36.5,47.53 ; 79.47,54.43 v1(79.53,54.43) 79.5,54.47 ; U1#3.19 29.12,71.55 v1(29.12,68.69)
  Bottom w0.2: v1(29.12,68.69) 28.41,67.98 28.41,55.31 v1(27.53,54.43) ; 35.59,40.16 38.13,40.16 43.08,45.11 v1(43.08,45.16) ; v1(88.47,47.57) 87.59,46.69 87.59,34.02 v1(86.88,33.31) ; v1(20.92,56.84) 20.92,56.89 25.87,61.84 28.41,61.84 ; v1(36.47,47.57) 35.59,46.69 35.59,34.02 v1(34.88,33.31) ; 80.41,61.84 77.87,61.84 72.92,56.89 v1(72.92,56.84) ; 87.59,40.16 90.13,40.16 95.08,45.11 v1(95.08,45.16) ; v1(79.53,54.43) 80.41,55.31 80.41,67.98 v1(81.12,68.69)
GP6: length 230.3
  Top w0.2: D11.1 v1(101.93,39.4) 101.93,36.84 D12#2.2 105.35,33.23 ; 10.65,68.77 D12#3.2 14.07,65.16 v1(14.07,62.6) D11#4.1 ; D11#2.1 v1(66.07,62.6) 66.07,65.16 D12.2 62.65,68.77 ; D11#3.1 v1(49.93,39.4) 49.93,36.84 D12#4.2 53.35,33.23
  Bottom w0.2: J1#3.3 86,2.74 86,26.41 v1(85.69,26.72) 85.67,26.75 85.67,30.93 95.04,40.3 101.03,40.3 v1(101.93,39.4) ; v1(49.93,39.4) 49.03,40.3 43.04,40.3 33.67,30.93 33.67,26.75 v1(33.69,26.72) 34,26.41 34,2.74 J1#4.3 ; v1(14.07,62.6) 14.97,61.7 20.96,61.7 30.33,71.07 30.33,75.25 v1(30.31,75.28) 30,75.59 30,99.27 J1.3 ; v1(66.07,62.6) 66.97,61.7 72.96,61.7 82.33,71.07 82.33,75.25 v1(82.31,75.28) 82,75.59 82,99.27 J1#2.3
GP7: length 139.2
  Top w0.2: D13#2.1 54.56,24.52 53.08,23.04 53.08,18.29 D14#2.2 54.11,17.26 54.11,16.39 53.74,16.02 43.55,16.02 U1.14 ; D13.1 9.45,77.49 10.92,78.96 10.92,83.71 D14#3.2 9.89,84.74 9.89,85.61 10.26,85.98 20.45,85.98 U1#3.14 ; U1#4.14 72.45,85.98 62.26,85.98 61.89,85.61 61.89,84.74 D14.2 62.92,83.71 62.92,78.96 61.44,77.49 D13#4.1 ; D13#3.1 106.56,24.52 105.08,23.04 105.08,18.29 D14#4.2 106.11,17.26 106.11,16.39 105.74,16.02 95.55,16.02 U1#2.14
GP8: length 123.3
  Top w0.2: v1(37.12,21.41) 37.12,21.88 U1.13 ; v1(26.88,80.59) 26.88,80.12 U1#3.13 ; 72.14,96.62 v1(72.08,96.68) ; 20.14,96.62 v1(20.08,96.68) ; 43.86,5.38 v1(43.92,5.32) ; U1#2.13 89.12,21.88 v1(89.12,21.41) ; v1(78.88,80.59) 78.88,80.12 U1#4.13 ; 95.86,5.38 v1(95.92,5.32) ; v1(101.3,9.86) D15#2.1 ; v1(14.7,92.14) D15#3.1 ; v1(66.7,92.14) D15.1 ; v1(49.3,9.86) D15#4.1
  Bottom w0.2: 43.92,9.68 v1(43.92,5.32) ; 43.92,9.68 43.71,9.68 37.37,16.02 37.37,21.15 v1(37.12,21.41) ; 43.92,9.68 49.13,9.68 v1(49.3,9.86) ; 72.08,92.32 v1(72.08,96.68) ; 72.08,92.32 66.87,92.32 v1(66.7,92.14) ; 72.08,92.32 72.29,92.32 78.63,85.98 78.63,80.85 v1(78.88,80.59) ; 20.08,92.32 14.87,92.32 v1(14.7,92.14) ; 20.08,92.32 20.29,92.32 26.63,85.98 26.63,80.85 v1(26.88,80.59) ; 20.08,92.32 v1(20.08,96.68) ; 95.92,9.68 v1(95.92,5.32) ; 95.92,9.68 95.71,9.68 89.37,16.02 89.37,21.15 v1(89.12,21.41) ; 95.92,9.68 101.13,9.68 v1(101.3,9.86)
PWM1: length 77
  Top w0.2: U1.10 28.4,22.27 28.4,18.11 R1#4.1 ; U1#4.10 87.6,79.73 87.6,83.89 R1.1 ; R1#3.1 35.6,83.89 35.6,79.73 U1#3.10 ; U1#2.10 80.4,22.27 80.4,18.11 R1#2.1
PWM2: length 79.1
  Top w0.2: R2#3.1 72.49,16.64 81.47,25.62 82.05,25.62 U1#2.7 ; U1#4.7 85.95,76.38 86.53,76.38 95.51,85.36 R2#2.1 ; U1.7 30.05,25.62 29.47,25.62 20.49,16.64 R2#4.1 ; R2.1 43.51,85.36 34.53,76.38 33.95,76.38 U1#3.7
PWM3: length 69.6
  Top w0.2: R3#2.1 76.22,39.42 81.56,34.09 81.56,30.01 U1#2.2 ; U1.2 29.56,30.01 29.56,34.09 24.22,39.42 R3.1 ; U1#4.2 86.44,71.99 86.44,67.91 91.78,62.58 R3#3.1 ; U1#3.2 34.44,71.99 34.44,67.91 39.78,62.58 R3#4.1
PWM4: length 48.6
  Top w0.2: U1.1 31.35,28.78 31.35,36.44 R4#3.1 ; U1#4.1 84.65,73.22 84.65,65.56 R4#4.1 ; U1#3.1 32.65,73.22 32.65,65.56 R4#2.1 ; R4.1 83.35,36.44 83.35,28.78 U1#2.1
PWM5: length 51.3
  Top w0.2: 33.27,28.27 U1.18 35.48,30.48 35.48,39.27 R5#4.1 ; R5#3.1 28.52,62.73 28.52,71.52 U1#3.18 30.73,73.73 ; 85.27,28.27 U1#2.18 87.48,30.48 87.48,39.27 R5.1 ; 82.73,73.73 U1#4.18 80.52,71.52 80.52,62.73 R5#2.1
PWM6: length 64.6
  Top w0.2: R6#3.1 73.53,62.58 80.12,69.17 80.12,71.68 U1#4.17 ; U1#2.17 87.88,30.32 87.88,32.83 94.47,39.42 R6#4.1 ; R6#2.1 42.47,39.42 35.88,32.83 35.88,30.32 U1.17 ; U1#3.17 28.12,71.68 28.12,69.17 21.53,62.58 R6.1
PWM7: length 80
  Top w0.2: R7#2.1 19.38,85.36 30.2,74.54 U1#3.16 ; U1#4.16 82.2,74.54 71.38,85.36 R7.1 ; R7#4.1 96.62,16.64 85.8,27.46 U1#2.16 ; R7#3.1 44.62,16.64 33.8,27.46 U1.16
PWM8: length 77
  Top w0.2: R8#3.1 37.37,16.34 37.37,19.84 32.8,24.42 32.8,25.07 U1.11 ; R8#2.1 89.37,16.34 89.37,19.84 84.8,24.42 84.8,25.07 U1#2.11 ; U1#3.11 31.2,76.93 31.2,77.58 26.63,82.16 26.63,85.66 R8.1 ; U1#4.11 83.2,76.93 83.2,77.58 78.63,82.16 78.63,85.66 R8#4.1
Net-(D1-A): length 47.9
  Top w0.2: R1#3.2 44.03,92.32 48.25,92.32 49.16,91.41 D2.1 ; R1#3.2 43.92,92.2 ; R1#3.2 43.9,92.18 43.9,95.77 43.08,96.59 D1#2.2 ; R1.2 96.03,92.32 100.25,92.32 101.16,91.41 D2#2.1 ; R1.2 95.92,92.2 ; R1.2 95.9,92.18 95.9,95.77 95.08,96.59 D1#4.2 ; D2#4.1 66.84,10.59 67.75,9.68 71.97,9.68 R1#2.2 ; D1#3.2 72.92,5.41 72.1,6.23 72.1,9.82 R1#2.2 ; D1.2 20.92,5.41 20.1,6.23 20.1,9.82 R1#4.2 ; R1#4.2 19.97,9.68 15.75,9.68 14.84,10.59 D2#3.1 ; R1#4.2 20.08,9.8 ; R1#2.2 72.08,9.8
Net-(D3-A): length 52
  Top w0.2: 63.3,17.43 63.3,23.23 61.05,25.49 D4#3.1 ; 63.3,17.43 64.08,16.64 R2#3.2 ; 63.3,17.43 D3.2 ; D3#2.2 104.7,84.58 ; 104.7,84.58 104.7,78.77 106.95,76.52 D4#2.1 ; 104.7,84.58 103.92,85.36 R2#2.2 ; D4#4.1 9.05,25.49 11.3,23.23 11.3,17.43 ; R2.2 51.92,85.36 52.7,84.58 ; R2#4.2 12.08,16.64 11.3,17.43 ; 11.3,17.43 D3#3.2 ; D4.1 54.95,76.52 52.7,78.77 52.7,84.58 ; 52.7,84.58 D3#4.2
Net-(D5-A): length 61.3
  Top w0.2: D5.2 62.59,32.41 66.77,36.59 66.77,40.08 D6#4.1 66.7,40.14 R3#2.2 ; R3.2 14.7,40.14 D6.1 14.77,40.08 14.77,36.59 10.59,32.41 D5#3.2 ; D5#2.2 53.41,69.59 49.23,65.41 49.23,61.92 D6#2.1 49.3,61.86 R3#4.2 ; D5#4.2 105.41,69.59 101.23,65.41 101.23,61.92 D6#3.1 101.3,61.86 R3#3.2
Net-(D7-A): length 69.5
  Top w0.2: D7#4.2 95.63,57.61 94.28,57.61 90.04,61.86 R4#4.2 87.52,61.02 D8#3.1 ; D7.2 72.37,44.39 73.72,44.39 77.96,40.14 R4.2 80.48,40.98 D8#4.1 ; D8#2.1 28.48,40.98 R4#3.2 25.96,40.14 21.72,44.39 20.37,44.39 D7#3.2 ; D8.1 35.52,61.02 R4#2.2 38.04,61.86 42.28,57.61 43.63,57.61 D7#2.2
Net-(D10-K): length 69.5
  Top w0.2: D9.2 35.52,40.98 R5#4.2 38.11,40.14 42.45,44.48 43.73,44.48 D10#3.1 ; D9#2.2 28.48,61.02 R5#3.2 25.89,61.86 21.55,57.52 20.27,57.52 D10.1 ; D10#2.1 95.73,44.48 94.45,44.48 90.11,40.14 R5.2 87.52,40.98 D9#3.2 ; D10#4.1 72.27,57.52 73.55,57.52 77.89,61.86 R5#2.2 80.48,61.02 D9#4.2
Net-(D11-A): length 61.2
  Top w0.2: D12#3.1 10.59,69.59 14.75,65.43 14.75,61.9 D11#4.2 14.7,61.86 R6.2 ; D12#4.1 53.41,32.41 49.25,36.57 49.25,40.1 D11#3.2 49.3,40.14 R6#2.2 ; R6#4.2 101.3,40.14 D11.2 101.25,40.1 101.25,36.57 105.41,32.41 D12#2.1 ; D12.1 62.59,69.59 66.75,65.43 66.75,61.9 D11#2.2 66.7,61.86 R6#3.2
Net-(D13-A): length 52
  Top w0.2: 52.68,17.45 52.68,23.22 54.94,25.49 D13#2.2 ; 52.68,17.45 51.88,16.64 R7#3.2 ; 52.68,17.45 D14#2.1 ; 63.32,84.56 63.32,78.78 61.06,76.52 D13#4.2 ; 63.32,84.56 D14.1 ; 63.32,84.56 64.12,85.36 R7.2 ; 104.68,17.45 104.68,23.22 106.94,25.49 D13#3.2 ; 104.68,17.45 103.88,16.64 R7#4.2 ; 104.68,17.45 D14#4.1 ; D13.2 9.05,76.52 11.32,78.78 11.32,84.56 ; 11.32,84.56 D14#3.1 ; 11.32,84.56 12.12,85.36 R7#2.2
Net-(D15-A): length 47.8
  Top w0.2: D15#3.2 14.84,91.41 15.75,92.32 19.97,92.32 R8.2 20.02,92.26 20.02,95.7 20.92,96.59 D16#3.1 ; D15#2.2 101.16,10.59 100.25,9.68 96.03,9.68 R8#2.2 95.98,9.74 95.98,6.3 95.08,5.41 D16.1 ; D15.2 66.84,91.41 67.75,92.32 71.97,92.32 R8#4.2 72.02,92.26 72.02,95.7 72.92,96.59 D16#4.1 ; D16#2.1 43.08,5.41 43.98,6.3 43.98,9.74 R8#3.2 44.03,9.68 48.25,9.68 49.16,10.59 D15#4.2

## Copper pours and planes (outline as drawn; the poured copper is in the pictures)
GND on Top: 4.35,103.21 114.77,103.21 114.77,-0.48 4.16,-0.48 4.16,103.02
GND on Bottom: 5.68,104.26 112.74,104.26 112.74,-2.55 29.85,-2.55 29.97,-2.67 5.68,-2.67

## Text on the board
B.Silkscreen: 3V | SWD
User.Comments: jlcpcb.com/help/article/How-to-remove-order-number-from-your-PCB / jlcpcb.com/help/article/Panelizing-your-PCB-for-Assembly / jlcpcb.com/help/article/How-to-add-edge-rails%2Ffiducials-for-PCB-assembly-order / jlcpcb.com/help/article/How-to-add-tooling-holes-for-PCB-assembly-order
F.Silkscreen: 4. apply solder paste, stack upper sandwich, reflow | 3. apply solder paste, / reflow to thicken pad | to align use 1.0mm dia pins | JLCJLCJLCJLC
